# Altium PCB top_LM358.PcbDoc (part 5 of 6)
Units mil, origin at the board's own origin, x right, y up, seen from the top; angles counter-clockwise.
Board outline 10480 x 5830 mil, 2 copper layers (Top Layer, Bottom Layer); 771 components, 701 nets, 1994 pads, 493 vias.
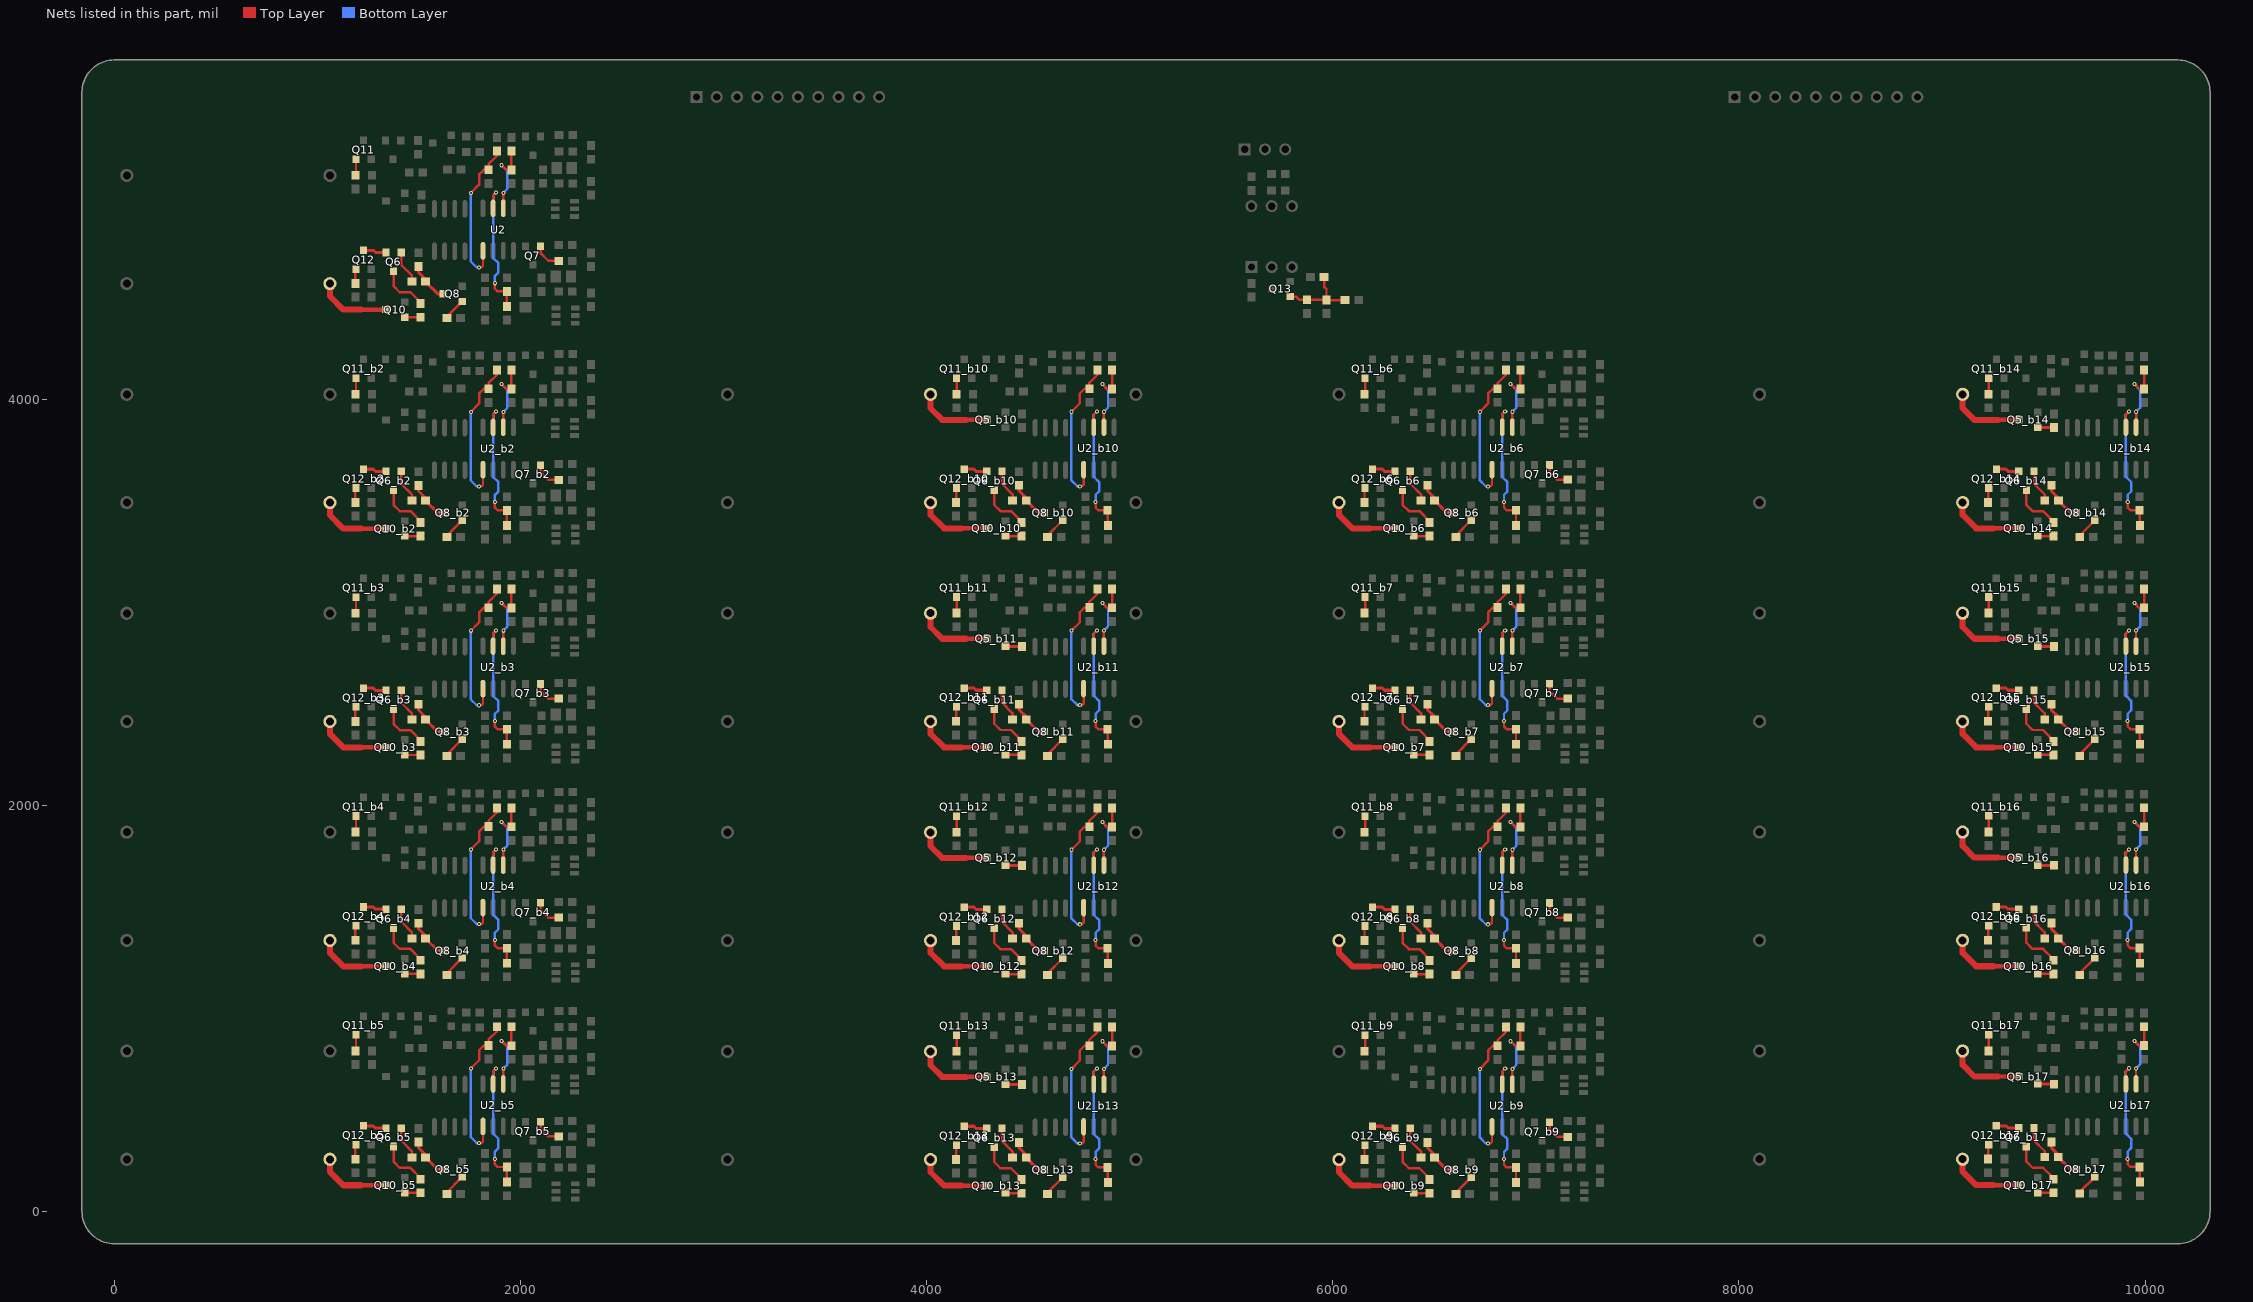
[diagram p5: the nets of this part, all layers, seen from the top]

## Via types
v1: diameter 20, hole 10, Top Layer to Bottom Layer, 402 vias
v2: diameter 40, hole 20, Top Layer to Bottom Layer, 53 vias
v3: diameter 30, hole 15, Top Layer to Bottom Layer, 34 vias
v4: diameter 125.98, hole 125.98, Top Layer to Bottom Layer, 4 vias

## Nets (pads, with @x,y where several pads share a name; then routed paths per layer and width w, separated by ;. In a path a pad name is that pad's centre, name@x,y a point inside that pad or via, vN(x,y) a via of type N, cw(c..) or ccw(c..) an arc to the next point about the centre after c; other vN are vias at no path point) (continued)
NetQ5_b10_3: Q5_b10.3 R1_b10.1 | length 368.5
  Top Layer w22: 4193.55,3897.86 Q5_b10.3@4295.43,3897.86
  Top Layer w30: R1_b10.1@4018.82,4023.58 4018.82,3955.58 4076.55,3897.86 4193.55,3897.86
NetQ5_b11_1: Q5_b11.1 R11_b11.1 | length 80.5
  Top Layer w15: Q5_b11.1@4388.29,2782.12 R11_b11.1@4468.82,2782.12
NetQ5_b11_3: Q5_b11.3 R1_b11.1 | length 368.5
  Top Layer w22: 4193.55,2819.86 Q5_b11.3@4295.43,2819.86
  Top Layer w30: R1_b11.1@4018.82,2945.58 4018.82,2877.58 4076.55,2819.86 4193.55,2819.86
NetQ5_b12_1: Q5_b12.1 R11_b12.1 | length 80.5
  Top Layer w15: Q5_b12.1@4388.29,1703.12 R11_b12.1@4468.82,1703.12
NetQ5_b12_3: Q5_b12.3 R1_b12.1 | length 368.5
  Top Layer w22: 4193.55,1740.86 Q5_b12.3@4295.43,1740.86
  Top Layer w30: R1_b12.1@4018.82,1866.58 4018.82,1798.58 4076.55,1740.86 4193.55,1740.86
NetQ5_b13_1: Q5_b13.1 R11_b13.1 | length 80.5
  Top Layer w15: Q5_b13.1@4388.29,624.12 R11_b13.1@4468.82,624.12
NetQ5_b13_3: Q5_b13.3 R1_b13.1 | length 368.5
  Top Layer w22: 4193.55,661.86 Q5_b13.3@4295.43,661.86
  Top Layer w30: R1_b13.1@4018.82,787.58 4018.82,719.58 4076.55,661.86 4193.55,661.86
NetQ5_b14_1: Q5_b14.1 R11_b14.1 | length 80.5
  Top Layer w15: Q5_b14.1@9471.29,3860.12 R11_b14.1@9551.82,3860.12
NetQ5_b14_3: Q5_b14.3 R1_b14.1 | length 368.5
  Top Layer w22: 9276.55,3897.86 Q5_b14.3@9378.43,3897.86
  Top Layer w30: R1_b14.1@9101.82,4023.58 9101.82,3955.58 9159.55,3897.86 9276.55,3897.86
NetQ5_b15_1: Q5_b15.1 R11_b15.1 | length 80.5
  Top Layer w15: Q5_b15.1@9471.04,2782.12 R11_b15.1@9551.57,2782.12
NetQ5_b15_3: Q5_b15.3 R1_b15.1 | length 368.5
  Top Layer w22: 9276.3,2819.86 Q5_b15.3@9378.18,2819.86
  Top Layer w30: R1_b15.1@9101.57,2945.58 9101.57,2877.58 9159.3,2819.86 9276.3,2819.86
NetQ5_b16_1: Q5_b16.1 R11_b16.1 | length 80.5
  Top Layer w15: Q5_b16.1@9471.04,1704.12 R11_b16.1@9551.57,1704.12
NetQ5_b16_3: Q5_b16.3 R1_b16.1 | length 368.5
  Top Layer w22: 9276.3,1741.86 Q5_b16.3@9378.18,1741.86
  Top Layer w30: R1_b16.1@9101.57,1867.58 9101.57,1799.58 9159.3,1741.86 9276.3,1741.86
NetQ5_b17_1: Q5_b17.1 R11_b17.1 | length 80.5
  Top Layer w15: Q5_b17.1@9471.04,626.12 R11_b17.1@9551.57,626.12
NetQ5_b17_3: Q5_b17.3 R1_b17.1 | length 368.5
  Top Layer w22: 9276.3,663.86 Q5_b17.3@9378.18,663.86
  Top Layer w30: R1_b17.1@9101.57,789.58 9101.57,721.58 9159.3,663.86 9276.3,663.86
NetQ6_1: Q6.1 R37.2 | length 165.8
  Top Layer w12: Q6.1@1412.09,4722.12 1412.09,4660.92 1465.23,4607.79 R37.2@1465.23,4578.32
NetQ6_2: Q6.2 Q12.3 | length 114.9
  Top Layer w15: Q12.3@1226.82,4732.84 1274.56,4732.84 1285.29,4722.12 Q6.2@1337.29,4722.12
NetQ6_3: Q6.3 R23.2 | length 244.9
  Top Layer w12: Q6.3@1374.69,4629.6 1374.69,4556.86 1405.23,4526.32 1457.08,4526.32 1508.08,4475.32 R23.2@1508.08,4470.32
NetQ6_b2_1: Q6_b2.1 R37_b2.2 | length 165.8
  Top Layer w12: Q6_b2.1@1412.09,3643.8 1412.09,3582.6 1465.23,3529.46 R37_b2.2@1465.23,3500
NetQ6_b2_2: Q6_b2.2 Q12_b2.3 | length 114.9
  Top Layer w15: Q12_b2.3@1226.82,3654.52 1274.56,3654.52 1285.29,3643.8 Q6_b2.2@1337.29,3643.8
NetQ6_b2_3: Q6_b2.3 R23_b2.2 | length 244.9
  Top Layer w12: Q6_b2.3@1374.69,3551.28 1374.69,3478.54 1405.23,3448 1457.08,3448 1508.08,3397 R23_b2.2@1508.08,3392
NetQ6_b3_1: Q6_b3.1 R37_b3.2 | length 165.8
  Top Layer w12: Q6_b3.1@1412.09,2565.8 1412.09,2504.6 1465.23,2451.46 R37_b3.2@1465.23,2422
NetQ6_b3_2: Q6_b3.2 Q12_b3.3 | length 114.9
  Top Layer w15: Q12_b3.3@1226.82,2576.52 1274.56,2576.52 1285.29,2565.8 Q6_b3.2@1337.29,2565.8
NetQ6_b3_3: Q6_b3.3 R23_b3.2 | length 244.9
  Top Layer w12: Q6_b3.3@1374.69,2473.28 1374.69,2400.54 1405.23,2370 1457.08,2370 1508.08,2319 R23_b3.2@1508.08,2314
NetQ6_b4_1: Q6_b4.1 R37_b4.2 | length 165.8
  Top Layer w12: Q6_b4.1@1412.09,1487.8 1412.09,1426.6 1465.23,1373.46 R37_b4.2@1465.23,1344
NetQ6_b4_2: Q6_b4.2 Q12_b4.3 | length 114.9
  Top Layer w15: Q12_b4.3@1226.82,1498.52 1274.56,1498.52 1285.29,1487.8 Q6_b4.2@1337.29,1487.8
NetQ6_b4_3: Q6_b4.3 R23_b4.2 | length 244.9
  Top Layer w12: Q6_b4.3@1374.69,1395.28 1374.69,1322.54 1405.23,1292 1457.08,1292 1508.08,1241 R23_b4.2@1508.08,1236
NetQ6_b5_1: Q6_b5.1 R37_b5.2 | length 165.8
  Top Layer w12: Q6_b5.1@1412.09,409.8 1412.09,348.6 1465.23,295.46 R37_b5.2@1465.23,266
NetQ6_b5_2: Q6_b5.2 Q12_b5.3 | length 114.9
  Top Layer w15: Q12_b5.3@1226.82,420.52 1274.56,420.52 1285.29,409.8 Q6_b5.2@1337.29,409.8
NetQ6_b5_3: Q6_b5.3 R23_b5.2 | length 244.9
  Top Layer w12: Q6_b5.3@1374.69,317.28 1374.69,244.54 1405.23,214 1457.08,214 1508.08,163 R23_b5.2@1508.08,158
NetQ6_b6_1: Q6_b6.1 R37_b6.2 | length 165.8
  Top Layer w12: Q6_b6.1@6381.34,3644.12 6381.34,3582.92 6434.48,3529.79 R37_b6.2@6434.48,3500.32
NetQ6_b6_2: Q6_b6.2 Q12_b6.3 | length 114.9
  Top Layer w15: Q12_b6.3@6196.08,3654.84 6243.82,3654.84 6254.54,3644.12 Q6_b6.2@6306.54,3644.12
NetQ6_b6_3: Q6_b6.3 R23_b6.2 | length 244.9
  Top Layer w12: Q6_b6.3@6343.94,3551.6 6343.94,3478.86 6374.48,3448.32 6426.33,3448.32 6477.33,3397.32 R23_b6.2@6477.33,3392.32
NetQ6_b7_1: Q6_b7.1 R37_b7.2 | length 165.8
  Top Layer w12: Q6_b7.1@6381.34,2566.12 6381.34,2504.92 6434.48,2451.79 R37_b7.2@6434.48,2422.32
NetQ6_b7_2: Q6_b7.2 Q12_b7.3 | length 114.9
  Top Layer w15: Q12_b7.3@6196.08,2576.84 6243.82,2576.84 6254.54,2566.12 Q6_b7.2@6306.54,2566.12
NetQ6_b7_3: Q6_b7.3 R23_b7.2 | length 244.9
  Top Layer w12: Q6_b7.3@6343.94,2473.6 6343.94,2400.86 6374.48,2370.32 6426.33,2370.32 6477.33,2319.32 R23_b7.2@6477.33,2314.32
NetQ6_b8_1: Q6_b8.1 R37_b8.2 | length 165.8
  Top Layer w12: Q6_b8.1@6381.34,1487.12 6381.34,1425.92 6434.48,1372.79 R37_b8.2@6434.48,1343.32
NetQ6_b8_2: Q6_b8.2 Q12_b8.3 | length 114.9
  Top Layer w15: Q12_b8.3@6196.08,1497.84 6243.82,1497.84 6254.54,1487.12 Q6_b8.2@6306.54,1487.12
NetQ6_b8_3: Q6_b8.3 R23_b8.2 | length 244.9
  Top Layer w12: Q6_b8.3@6343.94,1394.6 6343.94,1321.86 6374.48,1291.32 6426.33,1291.32 6477.33,1240.32 R23_b8.2@6477.33,1235.32
NetQ6_b9_1: Q6_b9.1 R37_b9.2 | length 165.8
  Top Layer w12: Q6_b9.1@6381.34,408.12 6381.34,346.92 6434.48,293.79 R37_b9.2@6434.48,264.32
NetQ6_b9_2: Q6_b9.2 Q12_b9.3 | length 114.9
  Top Layer w15: Q12_b9.3@6196.08,418.84 6243.82,418.84 6254.54,408.12 Q6_b9.2@6306.54,408.12
NetQ6_b9_3: Q6_b9.3 R23_b9.2 | length 244.9
  Top Layer w12: Q6_b9.3@6343.94,315.6 6343.94,242.86 6374.48,212.32 6426.33,212.32 6477.33,161.32 R23_b9.2@6477.33,156.32
NetQ6_b10_1: Q6_b10.1 R37_b10.2 | length 165.8
  Top Layer w12: Q6_b10.1@4370.09,3644.12 4370.09,3582.92 4423.23,3529.79 R37_b10.2@4423.23,3500.32
NetQ6_b10_2: Q6_b10.2 Q12_b10.3 | length 114.9
  Top Layer w15: Q12_b10.3@4184.82,3654.84 4232.56,3654.84 4243.29,3644.12 Q6_b10.2@4295.29,3644.12
NetQ6_b10_3: Q6_b10.3 R23_b10.2 | length 244.9
  Top Layer w12: Q6_b10.3@4332.69,3551.6 4332.69,3478.86 4363.23,3448.32 4415.08,3448.32 4466.08,3397.32 R23_b10.2@4466.08,3392.32
NetQ6_b11_1: Q6_b11.1 R37_b11.2 | length 165.8
  Top Layer w12: Q6_b11.1@4370.09,2566.12 4370.09,2504.92 4423.23,2451.79 R37_b11.2@4423.23,2422.32
NetQ6_b11_2: Q6_b11.2 Q12_b11.3 | length 114.9
  Top Layer w15: Q12_b11.3@4184.82,2576.84 4232.56,2576.84 4243.29,2566.12 Q6_b11.2@4295.29,2566.12
NetQ6_b11_3: Q6_b11.3 R23_b11.2 | length 244.9
  Top Layer w12: Q6_b11.3@4332.69,2473.6 4332.69,2400.86 4363.23,2370.32 4415.08,2370.32 4466.08,2319.32 R23_b11.2@4466.08,2314.32
NetQ6_b12_1: Q6_b12.1 R37_b12.2 | length 165.8
  Top Layer w12: Q6_b12.1@4370.09,1487.12 4370.09,1425.92 4423.23,1372.79 R37_b12.2@4423.23,1343.32
NetQ6_b12_2: Q6_b12.2 Q12_b12.3 | length 114.9
  Top Layer w15: Q12_b12.3@4184.82,1497.84 4232.56,1497.84 4243.29,1487.12 Q6_b12.2@4295.29,1487.12
NetQ6_b12_3: Q6_b12.3 R23_b12.2 | length 244.9
  Top Layer w12: Q6_b12.3@4332.69,1394.6 4332.69,1321.86 4363.23,1291.32 4415.08,1291.32 4466.08,1240.32 R23_b12.2@4466.08,1235.32
NetQ6_b13_1: Q6_b13.1 R37_b13.2 | length 165.8
  Top Layer w12: Q6_b13.1@4370.09,408.12 4370.09,346.92 4423.23,293.79 R37_b13.2@4423.23,264.32
NetQ6_b13_2: Q6_b13.2 Q12_b13.3 | length 114.9
  Top Layer w15: Q12_b13.3@4184.82,418.84 4232.56,418.84 4243.29,408.12 Q6_b13.2@4295.29,408.12
NetQ6_b13_3: Q6_b13.3 R23_b13.2 | length 244.9
  Top Layer w12: Q6_b13.3@4332.69,315.6 4332.69,242.86 4363.23,212.32 4415.08,212.32 4466.08,161.32 R23_b13.2@4466.08,156.32
NetQ6_b14_1: Q6_b14.1 R37_b14.2 | length 165.8
  Top Layer w12: Q6_b14.1@9453.09,3644.12 9453.09,3582.92 9506.23,3529.79 R37_b14.2@9506.23,3500.32
NetQ6_b14_2: Q6_b14.2 Q12_b14.3 | length 114.9
  Top Layer w15: Q12_b14.3@9267.82,3654.84 9315.56,3654.84 9326.29,3644.12 Q6_b14.2@9378.29,3644.12
NetQ6_b14_3: Q6_b14.3 R23_b14.2 | length 244.9
  Top Layer w12: Q6_b14.3@9415.69,3551.6 9415.69,3478.86 9446.23,3448.32 9498.08,3448.32 9549.08,3397.32 R23_b14.2@9549.08,3392.32
NetQ6_b15_1: Q6_b15.1 R37_b15.2 | length 165.8
  Top Layer w12: Q6_b15.1@9452.84,2566.12 9452.84,2504.92 9505.97,2451.79 R37_b15.2@9505.97,2422.32
NetQ6_b15_2: Q6_b15.2 Q12_b15.3 | length 114.9
  Top Layer w15: Q12_b15.3@9267.57,2576.84 9315.31,2576.84 9326.04,2566.12 Q6_b15.2@9378.04,2566.12
NetQ6_b15_3: Q6_b15.3 R23_b15.2 | length 244.9
  Top Layer w12: Q6_b15.3@9415.44,2473.6 9415.44,2400.86 9445.97,2370.32 9497.82,2370.32 9548.82,2319.32 R23_b15.2@9548.82,2314.32
NetQ6_b16_1: Q6_b16.1 R37_b16.2 | length 165.8
  Top Layer w12: Q6_b16.1@9452.84,1488.12 9452.84,1426.92 9505.97,1373.79 R37_b16.2@9505.97,1344.32
NetQ6_b16_2: Q6_b16.2 Q12_b16.3 | length 114.9
  Top Layer w15: Q12_b16.3@9267.57,1498.84 9315.31,1498.84 9326.04,1488.12 Q6_b16.2@9378.04,1488.12
NetQ6_b16_3: Q6_b16.3 R23_b16.2 | length 244.9
  Top Layer w12: Q6_b16.3@9415.44,1395.6 9415.44,1322.86 9445.97,1292.32 9497.82,1292.32 9548.82,1241.32 R23_b16.2@9548.82,1236.32
NetQ6_b17_1: Q6_b17.1 R37_b17.2 | length 165.8
  Top Layer w12: Q6_b17.1@9452.84,410.12 9452.84,348.92 9505.97,295.79 R37_b17.2@9505.97,266.32
NetQ6_b17_2: Q6_b17.2 Q12_b17.3 | length 114.9
  Top Layer w15: Q12_b17.3@9267.57,420.84 9315.31,420.84 9326.04,410.12 Q6_b17.2@9378.04,410.12
NetQ6_b17_3: Q6_b17.3 R23_b17.2 | length 244.9
  Top Layer w12: Q6_b17.3@9415.44,317.6 9415.44,244.86 9445.97,214.32 9497.82,214.32 9548.82,163.32 R23_b17.2@9548.82,158.32
NetQ7_1: Q7.1 R33.2 | length 139.4
  Top Layer w12: Q7.1@2098.4,4753.26 2098.4,4718.6 2136,4681 R33.2@2187.54,4681
NetQ7_b2_1: Q7_b2.1 R33_b2.2 | length 139.4
  Top Layer w12: Q7_b2.1@2098.4,3674.94 2098.4,3640.28 2136,3602.68 R33_b2.2@2187.54,3602.68
NetQ7_b3_1: Q7_b3.1 R33_b3.2 | length 139.4
  Top Layer w12: Q7_b3.1@2098.4,2596.94 2098.4,2562.28 2136,2524.68 R33_b3.2@2187.54,2524.68
NetQ7_b4_1: Q7_b4.1 R33_b4.2 | length 139.4
  Top Layer w12: Q7_b4.1@2098.4,1518.94 2098.4,1484.28 2136,1446.68 R33_b4.2@2187.54,1446.68
NetQ7_b5_1: Q7_b5.1 R33_b5.2 | length 139.4
  Top Layer w12: Q7_b5.1@2098.4,440.94 2098.4,406.28 2136,368.68 R33_b5.2@2187.54,368.68
NetQ7_b6_1: Q7_b6.1 R33_b6.2 | length 139.4
  Top Layer w12: Q7_b6.1@7067.65,3675.26 7067.65,3640.6 7105.25,3603 R33_b6.2@7156.79,3603
NetQ7_b7_1: Q7_b7.1 R33_b7.2 | length 139.4
  Top Layer w12: Q7_b7.1@7067.65,2597.26 7067.65,2562.6 7105.25,2525 R33_b7.2@7156.79,2525
NetQ7_b8_1: Q7_b8.1 R33_b8.2 | length 139.4
  Top Layer w12: Q7_b8.1@7067.65,1518.26 7067.65,1483.6 7105.25,1446 R33_b8.2@7156.79,1446
NetQ7_b9_1: Q7_b9.1 R33_b9.2 | length 139.4
  Top Layer w12: Q7_b9.1@7067.65,439.26 7067.65,404.6 7105.25,367 R33_b9.2@7156.79,367
NetQ7_b10_1: 
NetQ7_b11_1: 
NetQ7_b12_1: 
NetQ7_b13_1: 
NetQ7_b14_1: 
NetQ7_b15_1: 
NetQ7_b16_1: 
NetQ7_b17_1: 
NetQ8_1: Q8.1 R22.2 | length 113.6
  Top Layer w12: R22.2@1637.36,4398.58 1637.36,4406.45 Q8.1@1712.08,4481.18
NetQ8_3: Q8.3 R19.1 R37.1 | length 202.3
  Top Layer w15: R19.1@1498.23,4652.86 R19.1@1497.69,4653.39 1497.69,4625.32 1532.15,4590.86 R37.1@1532.15,4578.32 1591.89,4518.58 Q8.3@1619.56,4518.58
NetQ8_b2_1: Q8_b2.1 R22_b2.2 | length 113.6
  Top Layer w12: R22_b2.2@1637.36,3320.26 1637.36,3328.13 Q8_b2.1@1712.08,3402.86
NetQ8_b2_3: Q8_b2.3 R19_b2.1 R37_b2.1 | length 202.3
  Top Layer w15: R19_b2.1@1498.23,3574.54 R19_b2.1@1497.69,3575.07 1497.69,3547 1532.15,3512.54 R37_b2.1@1532.15,3500 1591.89,3440.26 Q8_b2.3@1619.56,3440.26
NetQ8_b3_1: Q8_b3.1 R22_b3.2 | length 113.6
  Top Layer w12: R22_b3.2@1637.36,2242.26 1637.36,2250.13 Q8_b3.1@1712.08,2324.86
NetQ8_b3_3: Q8_b3.3 R19_b3.1 R37_b3.1 | length 202.3
  Top Layer w15: R19_b3.1@1498.23,2496.54 R19_b3.1@1497.69,2497.07 1497.69,2469 1532.15,2434.54 R37_b3.1@1532.15,2422 1591.89,2362.26 Q8_b3.3@1619.56,2362.26
NetQ8_b4_1: Q8_b4.1 R22_b4.2 | length 113.6
  Top Layer w12: R22_b4.2@1637.36,1164.26 1637.36,1172.13 Q8_b4.1@1712.08,1246.86
NetQ8_b4_3: Q8_b4.3 R19_b4.1 R37_b4.1 | length 202.3
  Top Layer w15: R19_b4.1@1498.23,1418.54 R19_b4.1@1497.69,1419.07 1497.69,1391 1532.15,1356.54 R37_b4.1@1532.15,1344 1591.89,1284.26 Q8_b4.3@1619.56,1284.26
NetQ8_b5_1: Q8_b5.1 R22_b5.2 | length 113.6
  Top Layer w12: R22_b5.2@1637.36,86.26 1637.36,94.13 Q8_b5.1@1712.08,168.86
NetQ8_b5_3: Q8_b5.3 R19_b5.1 R37_b5.1 | length 202.3
  Top Layer w15: R19_b5.1@1498.23,340.54 R19_b5.1@1497.69,341.07 1497.69,313 1532.15,278.54 R37_b5.1@1532.15,266 1591.89,206.26 Q8_b5.3@1619.56,206.26
NetQ8_b6_1: Q8_b6.1 R22_b6.2 | length 113.6
  Top Layer w12: R22_b6.2@6606.61,3320.58 6606.61,3328.45 Q8_b6.1@6681.34,3403.18
NetQ8_b6_3: Q8_b6.3 R19_b6.1 R37_b6.1 | length 202.3
  Top Layer w15: R19_b6.1@6467.48,3574.86 R19_b6.1@6466.94,3575.39 6466.94,3547.32 6501.41,3512.86 R37_b6.1@6501.41,3500.32 6561.15,3440.58 Q8_b6.3@6588.82,3440.58
NetQ8_b7_1: Q8_b7.1 R22_b7.2 | length 113.6
  Top Layer w12: R22_b7.2@6606.61,2242.58 6606.61,2250.45 Q8_b7.1@6681.34,2325.18
NetQ8_b7_3: Q8_b7.3 R19_b7.1 R37_b7.1 | length 202.3
  Top Layer w15: R19_b7.1@6467.48,2496.86 R19_b7.1@6466.94,2497.39 6466.94,2469.32 6501.41,2434.86 R37_b7.1@6501.41,2422.32 6561.15,2362.58 Q8_b7.3@6588.82,2362.58
NetQ8_b8_1: Q8_b8.1 R22_b8.2 | length 113.6
  Top Layer w12: R22_b8.2@6606.61,1163.58 6606.61,1171.45 Q8_b8.1@6681.34,1246.18
NetQ8_b8_3: Q8_b8.3 R19_b8.1 R37_b8.1 | length 202.3
  Top Layer w15: R19_b8.1@6467.48,1417.86 R19_b8.1@6466.94,1418.39 6466.94,1390.32 6501.41,1355.86 R37_b8.1@6501.41,1343.32 6561.15,1283.58 Q8_b8.3@6588.82,1283.58
NetQ8_b9_1: Q8_b9.1 R22_b9.2 | length 113.6
  Top Layer w12: R22_b9.2@6606.61,84.58 6606.61,92.45 Q8_b9.1@6681.34,167.18
NetQ8_b9_3: Q8_b9.3 R19_b9.1 R37_b9.1 | length 202.3
  Top Layer w15: R19_b9.1@6467.48,338.86 R19_b9.1@6466.94,339.39 6466.94,311.32 6501.41,276.86 R37_b9.1@6501.41,264.32 6561.15,204.58 Q8_b9.3@6588.82,204.58
NetQ8_b10_1: Q8_b10.1 R22_b10.2 | length 113.6
  Top Layer w12: R22_b10.2@4595.36,3320.58 4595.36,3328.45 Q8_b10.1@4670.08,3403.18
NetQ8_b10_3: Q8_b10.3 R19_b10.1 R37_b10.1 | length 202.3
  Top Layer w15: R19_b10.1@4456.23,3574.86 R19_b10.1@4455.69,3575.39 4455.69,3547.32 4490.15,3512.86 R37_b10.1@4490.15,3500.32 4549.89,3440.58 Q8_b10.3@4577.56,3440.58
NetQ8_b11_1: Q8_b11.1 R22_b11.2 | length 113.6
  Top Layer w12: R22_b11.2@4595.36,2242.58 4595.36,2250.45 Q8_b11.1@4670.08,2325.18
NetQ8_b11_3: Q8_b11.3 R19_b11.1 R37_b11.1 | length 202.3
  Top Layer w15: R19_b11.1@4456.23,2496.86 R19_b11.1@4455.69,2497.39 4455.69,2469.32 4490.15,2434.86 R37_b11.1@4490.15,2422.32 4549.89,2362.58 Q8_b11.3@4577.56,2362.58
NetQ8_b12_1: Q8_b12.1 R22_b12.2 | length 113.6
  Top Layer w12: R22_b12.2@4595.36,1163.58 4595.36,1171.45 Q8_b12.1@4670.08,1246.18
NetQ8_b12_3: Q8_b12.3 R19_b12.1 R37_b12.1 | length 202.3
  Top Layer w15: R19_b12.1@4456.23,1417.86 R19_b12.1@4455.69,1418.39 4455.69,1390.32 4490.15,1355.86 R37_b12.1@4490.15,1343.32 4549.89,1283.58 Q8_b12.3@4577.56,1283.58
NetQ8_b13_1: Q8_b13.1 R22_b13.2 | length 113.6
  Top Layer w12: R22_b13.2@4595.36,84.58 4595.36,92.45 Q8_b13.1@4670.08,167.18
NetQ8_b13_3: Q8_b13.3 R19_b13.1 R37_b13.1 | length 202.3
  Top Layer w15: R19_b13.1@4456.23,338.86 R19_b13.1@4455.69,339.39 4455.69,311.32 4490.15,276.86 R37_b13.1@4490.15,264.32 4549.89,204.58 Q8_b13.3@4577.56,204.58
NetQ8_b14_1: Q8_b14.1 R22_b14.2 | length 113.6
  Top Layer w12: R22_b14.2@9678.36,3320.58 9678.36,3328.45 Q8_b14.1@9753.08,3403.18
NetQ8_b14_3: Q8_b14.3 R19_b14.1 R37_b14.1 | length 202.3
  Top Layer w15: R19_b14.1@9539.23,3574.86 R19_b14.1@9538.69,3575.39 9538.69,3547.32 9573.15,3512.86 R37_b14.1@9573.15,3500.32 9632.89,3440.58 Q8_b14.3@9660.56,3440.58
NetQ8_b15_1: Q8_b15.1 R22_b15.2 | length 113.6
  Top Layer w12: R22_b15.2@9678.11,2242.58 9678.11,2250.45 Q8_b15.1@9752.83,2325.18
NetQ8_b15_3: Q8_b15.3 R19_b15.1 R37_b15.1 | length 202.3
  Top Layer w15: R19_b15.1@9538.97,2496.86 R19_b15.1@9538.44,2497.39 9538.44,2469.32 9572.9,2434.86 R37_b15.1@9572.9,2422.32 9632.64,2362.58 Q8_b15.3@9660.31,2362.58
NetQ8_b16_1: Q8_b16.1 R22_b16.2 | length 113.6
  Top Layer w12: R22_b16.2@9678.11,1164.58 9678.11,1172.45 Q8_b16.1@9752.83,1247.18
NetQ8_b16_3: Q8_b16.3 R19_b16.1 R37_b16.1 | length 202.3
  Top Layer w15: R19_b16.1@9538.97,1418.86 R19_b16.1@9538.44,1419.39 9538.44,1391.32 9572.9,1356.86 R37_b16.1@9572.9,1344.32 9632.64,1284.58 Q8_b16.3@9660.31,1284.58
NetQ8_b17_1: Q8_b17.1 R22_b17.2 | length 113.6
  Top Layer w12: R22_b17.2@9678.11,86.58 9678.11,94.45 Q8_b17.1@9752.83,169.18
NetQ8_b17_3: Q8_b17.3 R19_b17.1 R37_b17.1 | length 202.3
  Top Layer w15: R19_b17.1@9538.97,340.86 R19_b17.1@9538.44,341.39 9538.44,313.32 9572.9,278.86 R37_b17.1@9572.9,266.32 9632.64,206.58 Q8_b17.3@9660.31,206.58
NetQ10_1: Q10.1 R23.1 | length 78.1
  Top Layer w12: Q10.1@1429.95,4403.45 R23.1@1508.01,4403.45
NetQ10_3: Q10.3 R14.1 | length 365.2
  Top Layer w22: 1212.69,4440.86 Q10.3@1337.43,4440.86
  Top Layer w30: R14.1@1060.82,4568.58 1060.82,4507.58 1127.55,4440.86 1212.69,4440.86
NetQ10_b2_1: Q10_b2.1 R23_b2.1 | length 78.1
  Top Layer w12: Q10_b2.1@1429.95,3325.13 R23_b2.1@1508.01,3325.13
NetQ10_b2_3: Q10_b2.3 R14_b2.1 | length 365.2
  Top Layer w22: 1212.69,3362.54 Q10_b2.3@1337.43,3362.53
  Top Layer w30: R14_b2.1@1060.82,3490.26 1060.82,3429.26 1127.55,3362.54 1212.69,3362.54
NetQ10_b3_1: Q10_b3.1 R23_b3.1 | length 78.1
  Top Layer w12: Q10_b3.1@1429.95,2247.13 R23_b3.1@1508.01,2247.13
NetQ10_b3_3: Q10_b3.3 R14_b3.1 | length 365.2
  Top Layer w22: 1212.69,2284.54 Q10_b3.3@1337.43,2284.53
  Top Layer w30: R14_b3.1@1060.82,2412.26 1060.82,2351.26 1127.55,2284.54 1212.69,2284.54
NetQ10_b4_1: Q10_b4.1 R23_b4.1 | length 78.1
  Top Layer w12: Q10_b4.1@1429.95,1169.13 R23_b4.1@1508.01,1169.13
NetQ10_b4_3: Q10_b4.3 R14_b4.1 | length 365.2
  Top Layer w22: 1212.69,1206.54 Q10_b4.3@1337.43,1206.54
  Top Layer w30: R14_b4.1@1060.82,1334.26 1060.82,1273.26 1127.55,1206.54 1212.69,1206.54
NetQ10_b5_1: Q10_b5.1 R23_b5.1 | length 78.1
  Top Layer w12: Q10_b5.1@1429.95,91.13 R23_b5.1@1508.01,91.13
NetQ10_b5_3: Q10_b5.3 R14_b5.1 | length 365.2
  Top Layer w22: 1212.69,128.54 Q10_b5.3@1337.43,128.53